# Altium PCB PCB_Kasli.PCBDOC (part 1 of 14) (continued)
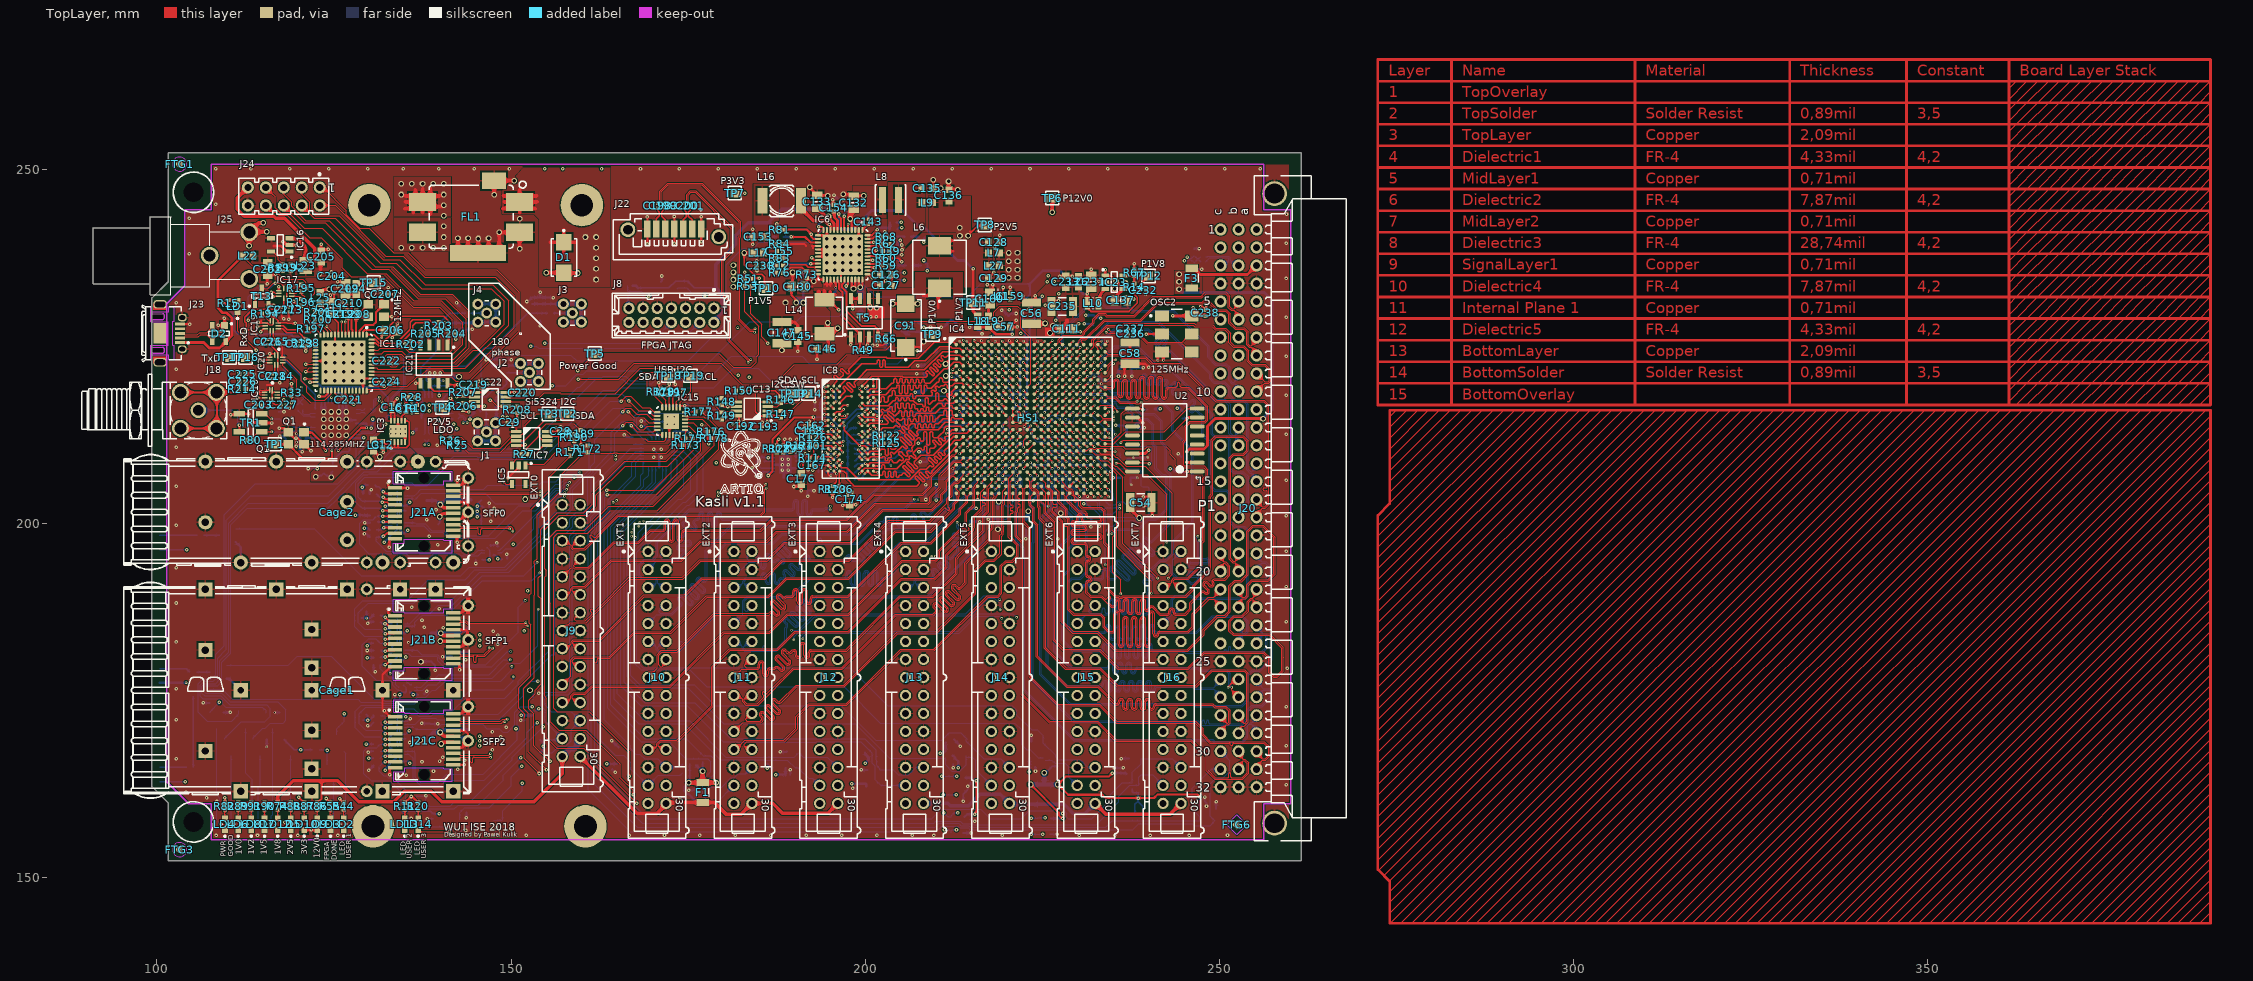
[diagram p0: TopLayer view]
## Design rules (kind name [scope] priority, off if disabled: settings) (continued)
MatchedLengths MatchedLengths_ADDR_PP1 [InxSignalClass('ADDR_PP1')] p18: tolerance=2 checknetsindiffpair=FALSE checkdiffpairvsdiffpair=TRUE checkxsignals=TRUE checkothers=TRUE
MatchedLengths [InDifferentialPairClass('All Differential Pairs')] p19: tolerance=5 checknetsindiffpair=TRUE checkdiffpairvsdiffpair=FALSE checkxsignals=FALSE checkothers=FALSE
MinimumAnnularRing MinimumAnnularRing_mid [OnLayer('MidLayer1') or OnLayer('MidLayer2') or OnLayer('MidLayer3') or OnLayer('MidLayer4')] p1: minimumring=0.15
MinimumAnnularRing MinimumAnnularRing_outer [OnLayer('TopLayer') or OnLayer('BottomLayer')] p2: minimumring=0.05
MinimumSolderMaskSliver [All] p1: minsoldermaskwidth=0.075
ParallelSegment [All] p1 off: limit=5 gap=0.254
PlaneClearance [All] p1: clearance=0.254
PlaneConnect [All] p1: pad.planeconnectstyle=Relief pad.reliefexpansion=0.2 pad.reliefentries=4 pad.reliefconductorwidth=0.254 pad.reliefairgap=0.254 via.planeconnectstyle=Direct via.reliefexpansion=0.2 via.reliefentries=4 via.reliefconductorwidth=0.254 via.reliefairgap=0.15
PolygonConnect PolygonConnect_pad [IsPad] p1: connectstyle=Relief reliefconductorwidth=0.254 reliefentries=4 polygonreliefangle="90 Angle" airgapwidth=0.254
PolygonConnect [All] p2: connectstyle=Direct reliefconductorwidth=0.254 reliefentries=4 polygonreliefangle="45 Angle" airgapwidth=0.254
RoomDefinition Connectors [InComponentClass('Connectors')] p1: confinementstyle=ConfineIn formatcopy=TRUE lockcomponents=FALSE outline 0,0 50.8,0 50.8,25.4 0,25.4
RoomDefinition PowerSupplies [InComponentClass('PowerSupplies')] p2 off: confinementstyle=ConfineIn formatcopy=TRUE lockcomponents=FALSE outline 177.119,248.429 179.094,248.429 179.094,248.729 188.067,248.729 188.067,248.917 211.179,248.917 211.179,249.395 240.55,249.395 240.55,249.427 264.616,249.427 264.616,237.77 240.809,237.77 240.809,233.253 239.573,233.253 239.573,230.365 235.917,230.365 235.917,229.965 226.303,229.965 226.303,229.851 221.539,229.851 221.539,228.791 217.691,228.791 217.691,226.821 209.531,226.821 209.531,226.095 177.119,226.095
RoomDefinition ClockRecovery [InComponentClass('ClockRecovery')] p3 off: confinementstyle=ConfineIn formatcopy=TRUE lockcomponents=FALSE outline 110.346,216.489 110.346,218.867 110.496,218.867 110.496,220.485 110.577,220.485 110.577,226.036 111.333,226.036 111.333,227.601 114.112,227.601 114.112,230.141 115.68,230.141 115.68,233.091 125.542,233.091 125.542,237.761 125.557,237.761 125.557,238.777 127.953,238.777 127.953,239.585 153.733,239.585 153.733,237.045 161.353,237.045 161.353,217.107 153.733,217.107 153.733,212.027 136.366,212.027 136.366,211.943 125.773,211.943 125.773,211.889 121.115,211.889 121.115,214.549 115.675,214.549 115.675,215.063 111.533,215.063 111.533,216.489
RoomDefinition USB_Serial_Quad [InComponentClass('USB_Serial_Quad')] p4 off: confinementstyle=ConfineIn formatcopy=TRUE lockcomponents=FALSE outline 96.489,225.657 96.489,236.115 134.774,236.115 134.774,248.364 155.802,248.364 155.802,241.856 145.507,241.856 145.507,219.221 143.175,219.221 143.175,210.803 141.147,210.803 141.147,210.519 134.637,210.519 134.637,210.393 133.079,210.393 133.079,212.077 114.941,212.077 114.941,213.763 114.249,213.763 114.249,214.867 110.317,214.867 110.317,225.657
RoomDefinition FPGA_JTAG [InComponentClass('FPGA_JTAG')] p5 off: confinementstyle=ConfineIn formatcopy=TRUE lockcomponents=FALSE outline 163.247,225.588 163.247,233.246 165.944,233.246 165.944,233.922 170.06,233.922 170.06,235.042 171.618,235.042 171.618,233.246 180.605,233.246 180.605,225.588
RoomDefinition SATA [InComponentClass('SATA')] p6 off: confinementstyle=ConfineIn formatcopy=TRUE lockcomponents=FALSE outline 165.247,230.042 165.247,247.65 173.18,247.65 173.18,243.309 173.645,243.309 173.645,235.077 173.18,235.077 173.18,230.042
RoomDefinition Artix [InComponentClass('Artix')] p7 off: confinementstyle=ConfineIn formatcopy=TRUE lockcomponents=FALSE outline 202.441,219.817 202.441,224.175 203.789,224.175 203.789,225.315 210.718,225.315 210.718,227.094 218.423,227.094 218.423,229.281 219.647,229.281 219.647,230.175 226.251,230.175 226.251,230.429 228.409,230.429 228.409,230.391 231.395,230.391 231.395,229.171 235.763,229.171 235.763,223.537 242.997,223.537 242.997,222.297 243.475,222.297 243.475,218.391 246.653,218.391 246.653,207.833 245.141,207.833 245.141,202.02 238.983,202.02 238.983,202.536 210.718,202.536 210.718,214.567 207.975,214.567 207.975,216.743 204.961,216.743 204.961,219.817
RoomDefinition TOP [InComponentClass('TOP')] p8 off: confinementstyle=ConfineIn formatcopy=TRUE lockcomponents=FALSE outline 112.014,243.586 88.392,243.586 88.392,210.134 112.014,210.134
RoomDefinition U_SFP_1 [InComponentClass('U_SFP_1')] p9 off: confinementstyle=ConfineIn formatcopy=TRUE lockcomponents=FALSE outline 95.025,175.56 95.025,191.716 144.333,191.716 144.333,191.533 152.065,191.533 152.065,190.927 153.941,190.927 153.941,186.263 151.397,186.263 151.397,185.553 148.27,185.553 148.27,182.355 146.559,182.355 146.559,180.835 144.333,180.835 144.333,175.56 139.365,175.56 139.365,175.497 137.411,175.497 137.411,174.351 133.128,174.351 133.128,175.56
RoomDefinition U_SFP_2 [InComponentClass('U_SFP_2')] p10 off: confinementstyle=ConfineIn formatcopy=TRUE lockcomponents=FALSE outline 95.04,161.315 95.04,177.471 144.348,177.471 144.348,177.309 151.557,177.309 151.557,176.195 153.433,176.195 153.433,171.531 150.889,171.531 150.889,171.075 148.524,171.075 148.524,168.131 146.559,168.131 146.559,166.611 144.348,166.611 144.348,161.315 142.667,161.315 142.667,158.987 140.289,158.987 140.289,159.111 135.414,159.111 135.414,161.315
RoomDefinition U_SFP_0 [InComponentClass('U_SFP_0')] p11 off: confinementstyle=ConfineIn formatcopy=TRUE lockcomponents=FALSE outline 95.03,193.6 95.03,209.756 144.338,209.756 144.338,209.313 150.795,209.313 150.795,208.327 152.577,208.327 152.577,208.199 153.941,208.199 153.941,203.789 150.889,203.789 150.889,203.333 147.762,203.333 147.762,200.389 146.813,200.389 146.813,198.869 144.338,198.869 144.338,193.6 142.667,193.6 142.667,191.499 138.935,191.499 138.935,190.099 134.652,190.099 134.652,193.6
RoomDefinition U_IDC_EXT_Connectors [InComponentClass('U_IDC_EXT_Connectors')] p12 off: confinementstyle=ConfineIn formatcopy=TRUE lockcomponents=FALSE outline 154.767,162.358 154.767,208.482 164.895,208.482 164.895,201.37 248.207,201.37 248.207,155.246 166.669,155.246 166.669,162.358
RoomDefinition U_FPGA_SDRAM [InComponentClass('U_FPGA_SDRAM')] p13 off: confinementstyle=ConfineIn formatcopy=TRUE lockcomponents=FALSE outline 203.454,227.319 183.423,227.319 183.423,207.518 203.454,207.518
RoomDefinition U_FPGA_I2C [InComponentClass('U_FPGA_I2C')] p14 off: confinementstyle=ConfineIn formatcopy=TRUE lockcomponents=FALSE outline 170.313,217.919 170.313,219.977 171.277,219.977 171.277,221.251 172.703,221.251 172.703,223.693 179.341,223.693 179.341,220.743 181.529,220.743 181.529,207.789 187.244,207.789 187.244,206.929 192.676,206.929 192.676,202.519 191.312,202.519 191.312,202.266 190.64,202.266 190.64,201.301 174.612,201.301 174.612,202.519 172.703,202.519 172.703,204.707 170.769,204.707 170.769,217.919
RoomDefinition U_BackplaneConnector [InComponentClass('U_BackplaneConnector')] p15 off: confinementstyle=ConfineIn formatcopy=TRUE lockcomponents=FALSE outline 246.221,226.171 246.221,231.029 246.246,231.029 246.246,249.488 268.264,249.488 268.264,154.88 246.246,154.88 246.246,226.171
RoutingLayers RoutingLayers_1 [InNetClass('Diff_100Ohm')] p1: top layer_v5=TRUE mid layer 1_v5=FALSE mid layer 2_v5=TRUE mid layer 7_v5=TRUE bottom layer_v5=TRUE
RoutingLayers [All] p2: top layer_v5=TRUE mid layer 1_v5=TRUE mid layer 2_v5=TRUE mid layer 7_v5=TRUE bottom layer_v5=TRUE
RoutingTopology RoutingTopology_DDRAddressAndControls [InNetClass('DDR_AddressAndControls')] p1: topology=Daisy_Simple
RoutingTopology [All] p2: topology=Shortest
RoutingVias [All] p1: holewidth=0.15 width=0.35 viastyle="Through Hole" minholewidth=0.15 minwidth=0.35 maxholewidth=0.6 maxwidth=0.8
SMDEntry [All] p1 off: side=TRUE corner=TRUE anyangle=FALSE
SilkToSilkClearance [All] p1: silktosilkclearance=0.15
SilkToSolderMaskClearance SilkscreenOverComponentPads [IsPad] p1: minsilkscreentomaskgap=0.15 clearancetoexposedcopper=FALSE
SolderMaskExpansion [All] p1: expansion=0.05
StubLength [All] p1: limit=3
UnConnectedPin [All] p1 off:
ViasUnderSMD ViasUnderSMD_1 [(InNet('GND') AND (InComponent('IC1') or InComponent('IC2') or InComponent('IC3') or InComponent('IC14') or InComponent('IC15') or InComponent('IC18')))] p1: allowed=TRUE
ViasUnderSMD [All] p2: allowed=FALSE
Width Width_50Ohm [InNetClass('50Ohm')] p1: maxlimit=1 minlimit=0.19 preferedwidth=0.24 toplayer_maxwidth=0.19 toplayer_prefwidth=0.19 midlayer1_minwidth=0.3 midlayer1_prefwidth=0.65 midlayer2_minwidth=0.24 midlayer2_maxwidth=0.24 midlayer7_minwidth=0.24 midlayer7_maxwidth=0.24 bottomlayer_maxwidth=0.19 bottomlayer_prefwidth=0.19 minimp=50.000000 maximp=50.000000 favimp=50.000000
Width [All] p2: maxlimit=2 minlimit=0.075 preferedwidth=0.125
14 further rules are at their usual default settings.

## Classes and differential pairs
net class LVPECL: CKOUT_D_2_N CKOUT_D_2_P CLK_EXT_N CLK_EXT_P
differential pair class LVPECL: CK_FPGAIO CK_GTP CKI_FPGAIO CKI_GTP CKIN0 CKIN2 CKOUT_1 CKOUT_D_2 CLK_EXT CLK_SMA_IN EEM_CLK_OUT7
differential pair class SFP_RX_TX: SFP_RX_TX_0.RD SFP_RX_TX_0.TD SFP_RX_TX_1.RD SFP_RX_TX_1.TD SFP_RX_TX_2.RD SFP_RX_TX_2.TD
differential pair class Diff_90Ohm: USB_D_R
net class 50Ohm: DDR3_A0 DDR3_A1 DDR3_A2 DDR3_A3 DDR3_A4 DDR3_A5 DDR3_A6 DDR3_A7 DDR3_A8 DDR3_A9 DDR3_A10 DDR3_A11 DDR3_A12 DDR3_A13 DDR3_A14 DDR3_BA0 DDR3_BA1 DDR3_BA2 DDR3_CAS_N DDR3_CK_N DDR3_CK_P DDR3_CKE DDR3_DQ0 DDR3_DQ1 DDR3_DQ2 DDR3_DQ3 DDR3_DQ4 DDR3_DQ5 DDR3_DQ6 DDR3_DQ7 DDR3_DQ8 DDR3_DQ9 DDR3_DQ10 DDR3_DQ11 DDR3_DQ12 DDR3_DQ13 DDR3_DQ14 DDR3_DQ15 DDR3_LDM DDR3_LDQS_N DDR3_LDQS_P DDR3_ODT DDR3_RAS_N DDR3_UDM DDR3_UDQS_N DDR3_UDQS_P DDR3_WE_N EEM_CLK_OUT0 EEM_CLK_OUT1 EEM_CLK_OUT2 EEM_CLK_OUT3 NetC20_2 NetC21_2 NetC22_2 NetC27_2 NetC228_1 NetC228_2
component class FPGA_JTAG: C52 C53 J8 R58
component class SATA: C198 C199 C200 C201 J22
component class Artix: C50 C51 C57 C60 C61 C62 C63 C64 C65 C95 C97 C98 C99 C100 C101 C112 C113 C114 C115 C116 C120 C122 C123 C124 C125 C161 C205 C229 C240 IC4 L4 L5 R11 R19 R20 R23 R42 R43 R44 R45 R46 R47 R48 R52 R53 R54 R55 R56 R94 R95 R96 R191 T2 T3 T4 T12
component class PowerSupplies: C126 C127 C128 C129 C130 C131 C132 C133 C134 C135 C136 C137 C138 C139 C140 C141 C142 C143 C145 C146 C147 C148 C149 C150 C151 C152 C153 C154 C155 C156 C157 C158 C159 C160 C230 C231 C232 C233 Cage1 Cage2 D1 FL1 IC6 IC23 J25 L6 L7 L8 L9 L10 L11 L12 L13 L14 L15 L16 L17 L18 L19 L26 L27 L28 LD4 LD5 LD6 LD7 LD8 LD9 LD10 LD12 R12 R14 R49 R51 R59 R60 R61 R62 R63 R64 R65 R66 R67 R68 R69 R70 R71 R72 R73 R74 R75 R76 R77 R78 R79 R81 R82 R83 R84 R85 R86 R87 R88 R89 R90 R91 R92 R93 T5 T6 T7 T8 T9 T10 T15 TP5 TP6 TP7 TP8 TP9 TP10 TP11 TP12 U1
channel class SFP: U_SFP_0 U_SFP_1 U_SFP_2
net class I2C_SDA_[11..0]: I2C_SDA_0 I2C_SDA_1 I2C_SDA_2 I2C_SDA_3 I2C_SDA_4 I2C_SDA_5 I2C_SDA_6 I2C_SDA_7 I2C_SDA_8 I2C_SDA_9 I2C_SDA_10 I2C_SDA_11
net class I2C_SCL_[11..0]: I2C_SCL_0 I2C_SCL_1 I2C_SCL_2 I2C_SCL_3 I2C_SCL_4 I2C_SCL_5 I2C_SCL_6 I2C_SCL_7 I2C_SCL_8 I2C_SCL_9 I2C_SCL_10 I2C_SCL_11
component class U_SFP_2: C178C C179C C180C C181C C182C C183C C184C C185C C186C C187C C188C C189C C190C C191C IC11C IC12C IC13C J21C L20C L21C LD11C R130C R134C R137C R138C R143C R144C R145C R212C R213C T3C T11C
component class U_SFP_1: C178B C179B C180B C181B C182B C183B C184B C185B C186B C187B C188B C189B C190B C191B IC11B IC12B IC13B J21B L20B L21B LD11B R130B R134B R137B R138B R143B R144B R145B R212B R213B T3B T11B
component class U_SFP_0: C178A C179A C180A C181A C182A C183A C184A C185A C186A C187A C188A C189A C190A C191A IC11A IC12A IC13A J21A L20A L21A LD11A R130A R134A R137A R138A R143A R144A R145A R212A R213A T3A T11A
component class U_IDC_EXT_Connectors: C30 C35 C36 C37 C39 C40 C41 C42 D3 D4 D5 D6 D7 D8 D9 D10 F1 F2 J9 J10 J11 J12 J13 J14 J15 J16
component class U_FPGAGTP: C198 C199 C200 C201 C236 C237 C238 J22 OSC2 R191
component class U_FPGA_SDRAM: C162 C163 C164 C165 C166 C167 C168 C169 C170 C171 C172 C173 C174 C175 C176 C177 IC8 IC9 R99 R100 R101 R102 R103 R104 R105 R106 R107 R108 R109 R110 R111 R112 R113 R114 R115 R116 R117 R118 R119 R120 R121 R122 R123 R124 R125 R126 R127 R128 R129
component class U_FPGA_I2C: C192 C193 C196 C197 IC5 IC13 IC14 IC15 R135 R136 R138 R139 R141 R142 R143 R146 R147 R148 R149 R150 R151 R152 R153 R154 R155 R156 R157 R158 R159 R160 R161 R162 R163 R164 R165 R166 R167 R168 R169 R170 R171 R172 R173 R175 R176 R177 R178 R179 R180 R181 R182 R183 R184 R185 R186 R187 R188 R189 R190 TP13 TP14
component class U_BackplaneConnector: C31 C32 C33 C34 D11 D12 D13 D14 F3 J20
component class TOP: C161 C225 C226 C229 FTG1 FTG2 FTG3 FTG4 FTG5 FTG6 J18 R94 R95 R96 R214 U2
component class ClockRecovery: C1 C2 C3 C4 C5 C6 C7 C8 C9 C10 C11 C12 C13 C14 C15 C16 C17 C18 C19 C20 C21 C22 C23 C24 C25 C26 C27 C28 C29 C38 C43 C44 C45 C46 C47 C48 C144 C194 C195 C228 IC1 IC2 IC3 IC7 J1 J2 J3 J4 L1 L2 L3 LD1 Q1 R1 R2 R3 R4 R6 R7 R8 R9 R10 R13 R15 R16 R17 R18 R21 R22 R24 R25 R26 R27 R28 R29 R30 R31 R32 R38 R39 R80 R210 R211 T1 TP1 TP2 TP3 TP4 TR1
component class FPGAPower&Misc: C50 C51 C52 C53 C54 C55 C56 C57 C58 C59 C60 C61 C62 C63 C64 C65 C66 C67 C68 C69 C70 C71 C72 C73 C74 C75 C76 C77 C78 C79 C80 C81 C82 C83 C84 C85 C86 C87 C88 C89 C90 C91 C92 C93 C94 C95 C96 C97 C98 C99 C100 C101 C102 C103 C104 C105 C106 C107 C108 C109 C110 C111 C112 C113 C114 C115 C116 C117 C118 C119 C120 C121 C122 C123 C124 C125 C235 C240 HS1 J8 L4 L5 LD3 R46 R47 R48 R52 R53 R54 R55 R56 R57 R58 T4
component class "Artix 7": IC4 LD2 LD13 LD14 R11 R19 R20 R23 R42 R43 R44 R45 T2 T3 T12
component class USB_Serial_Quad: C202 C203 C204 C205 C206 C207 C208 C209 C210 C211 C212 C213 C214 C215 C216 C217 C218 C219 C220 C221 C222 C223 C224 C227 D2 IC10 IC16 IC17 IC18 IC19 IC20 IC21 IC22 J23 J24 L22 L23 L24 L25 Q2 R33 R192 R193 R194 R195 R196 R197 R198 R199 R200 R201 R202 R203 R204 R205 R206 R207 R208 R209 T13 T14 TP15 TP16 TP17 TP18 TP19
component class Connectors: Cage1 Cage2 J18 J20 J23 J25
net class DDR_AddressAndControls: DDR3_A0 DDR3_A1 DDR3_A2 DDR3_A3 DDR3_A4 DDR3_A5 DDR3_A6 DDR3_A7 DDR3_A8 DDR3_A9 DDR3_A10 DDR3_A11 DDR3_A12 DDR3_A13 DDR3_A14 DDR3_BA0 DDR3_BA1 DDR3_BA2 DDR3_CAS_N DDR3_CK_N DDR3_CK_P DDR3_CKE DDR3_ODT DDR3_RAS_N DDR3_WE_N
net class DDR_BL0: DDR3_DQ0 DDR3_DQ1 DDR3_DQ2 DDR3_DQ3 DDR3_DQ4 DDR3_DQ5 DDR3_DQ6 DDR3_DQ7 DDR3_DQ8 DDR3_DQ9 DDR3_DQ10 DDR3_DQ11 DDR3_DQ12 DDR3_DQ13 DDR3_DQ14 DDR3_DQ15 DDR3_LDM DDR3_LDQS_N DDR3_LDQS_P DDR3_UDM DDR3_UDQS_N DDR3_UDQS_P
net class EXT0: EXT0.LVDS_0_N EXT0.LVDS_0_P EXT0.LVDS_1_N EXT0.LVDS_1_P EXT0.LVDS_2_N EXT0.LVDS_2_P EXT0.LVDS_3_N EXT0.LVDS_3_P EXT0.LVDS_4_N EXT0.LVDS_4_P EXT0.LVDS_5_N EXT0.LVDS_5_P EXT0.LVDS_6_N EXT0.LVDS_6_P EXT0.LVDS_7_N EXT0.LVDS_7_P
net class EXT1: EXT1.LVDS_0_N EXT1.LVDS_0_P EXT1.LVDS_1_N EXT1.LVDS_1_P EXT1.LVDS_2_N EXT1.LVDS_2_P EXT1.LVDS_3_N EXT1.LVDS_3_P EXT1.LVDS_4_N EXT1.LVDS_4_P EXT1.LVDS_5_N EXT1.LVDS_5_P EXT1.LVDS_6_N EXT1.LVDS_6_P EXT1.LVDS_7_N EXT1.LVDS_7_P
net class EXT2: EXT2.LVDS_0_N EXT2.LVDS_0_P EXT2.LVDS_1_N EXT2.LVDS_1_P EXT2.LVDS_2_N EXT2.LVDS_2_P EXT2.LVDS_3_N EXT2.LVDS_3_P EXT2.LVDS_4_N EXT2.LVDS_4_P EXT2.LVDS_5_N EXT2.LVDS_5_P EXT2.LVDS_6_N EXT2.LVDS_6_P EXT2.LVDS_7_N EXT2.LVDS_7_P
net class EXT3: EXT3.LVDS_0_N EXT3.LVDS_0_P EXT3.LVDS_1_N EXT3.LVDS_1_P EXT3.LVDS_2_N EXT3.LVDS_2_P EXT3.LVDS_3_N EXT3.LVDS_3_P EXT3.LVDS_4_N EXT3.LVDS_4_P EXT3.LVDS_5_N EXT3.LVDS_5_P EXT3.LVDS_6_N EXT3.LVDS_6_P EXT3.LVDS_7_N EXT3.LVDS_7_P
net class EXT4: EXT4.LVDS_0_N EXT4.LVDS_0_P EXT4.LVDS_1_N EXT4.LVDS_1_P EXT4.LVDS_2_N EXT4.LVDS_2_P EXT4.LVDS_3_N EXT4.LVDS_3_P EXT4.LVDS_4_N EXT4.LVDS_4_P EXT4.LVDS_5_N EXT4.LVDS_5_P EXT4.LVDS_6_N EXT4.LVDS_6_P EXT4.LVDS_7_N EXT4.LVDS_7_P
net class EXT5: EXT5.LVDS_0_N EXT5.LVDS_0_P EXT5.LVDS_1_N EXT5.LVDS_1_P EXT5.LVDS_2_N EXT5.LVDS_2_P EXT5.LVDS_3_N EXT5.LVDS_3_P EXT5.LVDS_4_N EXT5.LVDS_4_P EXT5.LVDS_5_N EXT5.LVDS_5_P EXT5.LVDS_6_N EXT5.LVDS_6_P EXT5.LVDS_7_N EXT5.LVDS_7_P
net class EXT6: EXT6.LVDS_0_N EXT6.LVDS_0_P EXT6.LVDS_1_N EXT6.LVDS_1_P EXT6.LVDS_2_N EXT6.LVDS_2_P EXT6.LVDS_3_N EXT6.LVDS_3_P EXT6.LVDS_4_N EXT6.LVDS_4_P EXT6.LVDS_5_N EXT6.LVDS_5_P EXT6.LVDS_6_N EXT6.LVDS_6_P EXT6.LVDS_7_N EXT6.LVDS_7_P
net class EXT7: EXT7.LVDS_0_N EXT7.LVDS_0_P EXT7.LVDS_1_N EXT7.LVDS_1_P EXT7.LVDS_2_N EXT7.LVDS_2_P EXT7.LVDS_3_N EXT7.LVDS_3_P EXT7.LVDS_4_N EXT7.LVDS_4_P EXT7.LVDS_5_N EXT7.LVDS_5_P EXT7.LVDS_6_N EXT7.LVDS_6_P EXT7.LVDS_7_N EXT7.LVDS_7_P
net class EXT8: EXT8.LVDS_0_N EXT8.LVDS_0_P EXT8.LVDS_1_N EXT8.LVDS_1_P EXT8.LVDS_2_N EXT8.LVDS_2_P EXT8.LVDS_3_N EXT8.LVDS_3_P EXT8.LVDS_4_N EXT8.LVDS_4_P EXT8.LVDS_5_N EXT8.LVDS_5_P EXT8.LVDS_6_N EXT8.LVDS_6_P EXT8.LVDS_7_N EXT8.LVDS_7_P
net class EXT9: EXT9.LVDS_0_N EXT9.LVDS_0_P EXT9.LVDS_1_N EXT9.LVDS_1_P EXT9.LVDS_2_N EXT9.LVDS_2_P EXT9.LVDS_3_N EXT9.LVDS_3_P EXT9.LVDS_4_N EXT9.LVDS_4_P EXT9.LVDS_5_N EXT9.LVDS_5_P EXT9.LVDS_6_N EXT9.LVDS_6_P EXT9.LVDS_7_N EXT9.LVDS_7_P
net class EXT10: EXT10.LVDS_0_N EXT10.LVDS_0_P EXT10.LVDS_1_N EXT10.LVDS_1_P EXT10.LVDS_2_N EXT10.LVDS_2_P EXT10.LVDS_3_N EXT10.LVDS_3_P EXT10.LVDS_4_N EXT10.LVDS_4_P EXT10.LVDS_5_N EXT10.LVDS_5_P EXT10.LVDS_6_N EXT10.LVDS_6_P EXT10.LVDS_7_N EXT10.LVDS_7_P
net class EXT11: EXT11.LVDS_0_N EXT11.LVDS_0_P EXT11.LVDS_1_N EXT11.LVDS_1_P EXT11.LVDS_2_N EXT11.LVDS_2_P EXT11.LVDS_3_N EXT11.LVDS_3_P EXT11.LVDS_4_N EXT11.LVDS_4_P EXT11.LVDS_5_N EXT11.LVDS_5_P EXT11.LVDS_6_N EXT11.LVDS_6_P EXT11.LVDS_7_N EXT11.LVDS_7_P
net class SFP_0: SFP_0.LED SFP_0.LOS SFP_0.MOD_PRESENT SFP_0.RATE_SELECT SFP_0.RATE_SELECT1 SFP_0.TX_DISABLE SFP_0.TX_FAULT
net class SFP_1: SFP_1.LED SFP_1.LOS SFP_1.MOD_PRESENT SFP_1.RATE_SELECT SFP_1.RATE_SELECT1 SFP_1.TX_DISABLE SFP_1.TX_FAULT
net class SFP_2: SFP_2.LED SFP_2.LOS SFP_2.MOD_PRESENT SFP_2.RATE_SELECT SFP_2.RATE_SELECT1 SFP_2.TX_DISABLE SFP_2.TX_FAULT
net class SFP_RX_TX_0: SFP_RX_TX_0.RD_N SFP_RX_TX_0.RD_P SFP_RX_TX_0.TD_N SFP_RX_TX_0.TD_P
net class SFP_RX_TX_1: SFP_RX_TX_1.RD_N SFP_RX_TX_1.RD_P SFP_RX_TX_1.TD_N SFP_RX_TX_1.TD_P
net class SFP_RX_TX_2: SFP_RX_TX_2.RD_N SFP_RX_TX_2.RD_P SFP_RX_TX_2.TD_N SFP_RX_TX_2.TD_P
net class Diff_100Ohm: CK_FPGAIO_N CK_FPGAIO_P CK_GTP_125_N CK_GTP_125_P CK_GTP_N CK_GTP_P CKC_GTP_125_N CKC_GTP_125_P CKI_FPGAIO_N CKI_FPGAIO_P CKI_GTP_N CKI_GTP_P CKIN0_N CKIN0_P CKIN1_N CKIN1_P CKOUT_1_N CKOUT_1_P CKOUT_D_1_N CKOUT_D_1_P CLK_SMA_IN_N CLK_SMA_IN_P CLKREC_N CLKREC_P EXT0.LVDS_0_P MGT_RX3_N MGT_RX3_P MGT_TX3_N MGT_TX3_P SATA_RX_N SATA_RX_P SATA_TX_N SATA_TX_P SFP_RX_TX_0.RD_N SFP_RX_TX_0.RD_P SFP_RX_TX_0.TD_N SFP_RX_TX_0.TD_P SFP_RX_TX_1.RD_N SFP_RX_TX_1.RD_P SFP_RX_TX_1.TD_N SFP_RX_TX_1.TD_P SFP_RX_TX_2.RD_N SFP_RX_TX_2.RD_P SFP_RX_TX_2.TD_N SFP_RX_TX_2.TD_P
differential pair class Diff_100Ohm: CK_FPGAIO CK_GTP CK_GTP_125 CKC_GTP_125 CKI_FPGAIO CKI_GTP CKIN0 CKIN2 CKOUT_1 CKOUT_D_1 CKOUT_D_2 CLK_EEM_EXT CLK_EEM_EXT_C CLK_EEM_INT CLK_EXT CLK_SMA_IN CLKREC DDR3_CK DDR3_LDQS DDR3_UDQS EEM_CLK_OUT7 EXT0.LVDS_0 EXT0.LVDS_1 EXT0.LVDS_2 EXT0.LVDS_3 EXT0.LVDS_4 EXT0.LVDS_5 EXT0.LVDS_6 EXT0.LVDS_7 EXT1.LVDS_0 EXT1.LVDS_7 EXT2.LVDS_0 EXT2.LVDS_2 EXT2.LVDS_3 EXT2.LVDS_4 EXT2.LVDS_5 EXT2.LVDS_6 EXT2.LVDS_7 EXT3.LVDS_0 EXT3.LVDS_2 EXT3.LVDS_3 EXT3.LVDS_4 EXT3.LVDS_5 EXT3.LVDS_6 EXT3.LVDS_7 EXT4.LVDS_0 EXT4.LVDS_2 EXT4.LVDS_3 EXT4.LVDS_4 EXT4.LVDS_5 EXT4.LVDS_6 EXT4.LVDS_7 EXT5.LVDS_0 EXT5.LVDS_2 EXT5.LVDS_3 EXT5.LVDS_4 EXT5.LVDS_5 EXT5.LVDS_6 EXT5.LVDS_7 EXT6.LVDS_0 EXT6.LVDS_2 EXT6.LVDS_3 EXT6.LVDS_4 EXT6.LVDS_5 EXT6.LVDS_6 EXT6.LVDS_7 EXT7.LVDS_0 EXT7.LVDS_2 EXT7.LVDS_3 EXT7.LVDS_4 EXT7.LVDS_5 EXT7.LVDS_6 EXT7.LVDS_7 EXT8.LVDS_0 EXT8.LVDS_2 EXT8.LVDS_3 EXT8.LVDS_4 EXT8.LVDS_5 EXT8.LVDS_6 EXT8.LVDS_7 EXT9.LVDS_0 EXT9.LVDS_2 EXT9.LVDS_3 EXT9.LVDS_4 EXT9.LVDS_5 EXT9.LVDS_6 EXT9.LVDS_7 EXT10.LVDS_0 EXT10.LVDS_2 EXT10.LVDS_3 EXT10.LVDS_4 EXT10.LVDS_5 EXT10.LVDS_6 EXT10.LVDS_7 EXT11.LVDS_0 EXT11.LVDS_1 EXT11.LVDS_2 EXT11.LVDS_3 EXT11.LVDS_4 EXT11.LVDS_5 EXT11.LVDS_6 EXT11.LVDS_7 MGT_RX3 MGT_TX3 SFP_RX_TX_0.RD SFP_RX_TX_0.TD SFP_RX_TX_1.RD SFP_RX_TX_1.TD SFP_RX_TX_2.RD SFP_RX_TX_2.TD
differential pair CKOUT_D_2: +CKOUT_D_2_P -CKOUT_D_2_N
differential pair SATA_TX: +SATA_TX_P -SATA_TX_N
differential pair SATA_RX: +SATA_RX_P -SATA_RX_N
differential pair CKC_GTP_125: +CKC_GTP_125_P -CKC_GTP_125_N
differential pair CK_GTP_125: +CK_GTP_125_P -CK_GTP_125_N
differential pair CKI_GTP: +CKI_GTP_P -CKI_GTP_N
differential pair CKI_FPGAIO: +CKI_FPGAIO_P -CKI_FPGAIO_N
differential pair MGT_TX3: +MGT_TX3_P -MGT_TX3_N
differential pair MGT_RX3: +MGT_RX3_P -MGT_RX3_N
differential pair CKIN0: +CKIN0_P -CKIN0_N
differential pair CLK_EXT: +CLK_EXT_P -CLK_EXT_N
differential pair EXT10.LVDS_3: +EXT9.LVDS_2_P -EXT9.LVDS_2_N
differential pair SFP_RX_TX_1.TD: +SFP_RX_TX_1.TD_P -SFP_RX_TX_1.TD_N
differential pair SFP_RX_TX_1.RD: +SFP_RX_TX_1.RD_P -SFP_RX_TX_1.RD_N
differential pair EXT11.LVDS_7: +EXT10.LVDS_6_P -EXT10.LVDS_6_N
differential pair EXT11.LVDS_6: +EXT10.LVDS_5_P -EXT10.LVDS_5_N
differential pair EXT11.LVDS_5: +EXT10.LVDS_4_P -EXT10.LVDS_4_N
differential pair EXT11.LVDS_4: +EXT10.LVDS_3_P -EXT10.LVDS_3_N
differential pair EXT11.LVDS_3: +EXT10.LVDS_2_P -EXT10.LVDS_2_N
differential pair EXT11.LVDS_2: +EXT10.LVDS_1_P -EXT10.LVDS_1_N
differential pair EXT10.LVDS_7: +EXT9.LVDS_6_P -EXT9.LVDS_6_N
differential pair EXT10.LVDS_6: +EXT9.LVDS_5_P -EXT9.LVDS_5_N
differential pair EXT10.LVDS_5: +EXT9.LVDS_4_P -EXT9.LVDS_4_N
differential pair EXT10.LVDS_4: +EXT9.LVDS_3_P -EXT9.LVDS_3_N
differential pair EXT10.LVDS_2: +EXT9.LVDS_1_P -EXT9.LVDS_1_N
differential pair EXT9.LVDS_7: +EXT8.LVDS_6_P -EXT8.LVDS_6_N
differential pair EXT9.LVDS_6: +EXT8.LVDS_5_P -EXT8.LVDS_5_N
differential pair EXT9.LVDS_5: +EXT8.LVDS_4_P -EXT8.LVDS_4_N
differential pair EXT9.LVDS_4: +EXT8.LVDS_3_P -EXT8.LVDS_3_N
differential pair EXT9.LVDS_3: +EXT8.LVDS_2_P -EXT8.LVDS_2_N
differential pair EXT9.LVDS_2: +EXT8.LVDS_1_P -EXT8.LVDS_1_N
differential pair EXT8.LVDS_7: +EXT7.LVDS_6_P -EXT7.LVDS_6_N
differential pair EXT8.LVDS_6: +EXT7.LVDS_5_P -EXT7.LVDS_5_N
differential pair EXT8.LVDS_5: +EXT7.LVDS_4_P -EXT7.LVDS_4_N
differential pair EXT8.LVDS_4: +EXT7.LVDS_3_P -EXT7.LVDS_3_N
differential pair EXT8.LVDS_3: +EXT7.LVDS_2_P -EXT7.LVDS_2_N
differential pair EXT8.LVDS_2: +EXT7.LVDS_1_P -EXT7.LVDS_1_N
differential pair EXT7.LVDS_7: +EXT6.LVDS_6_P -EXT6.LVDS_6_N
differential pair EXT7.LVDS_6: +EXT6.LVDS_5_P -EXT6.LVDS_5_N
differential pair EXT7.LVDS_5: +EXT6.LVDS_4_P -EXT6.LVDS_4_N
differential pair EXT7.LVDS_4: +EXT6.LVDS_3_P -EXT6.LVDS_3_N
differential pair EXT7.LVDS_3: +EXT6.LVDS_2_P -EXT6.LVDS_2_N
differential pair EXT7.LVDS_2: +EXT6.LVDS_1_P -EXT6.LVDS_1_N
differential pair EXT6.LVDS_7: +EXT5.LVDS_6_P -EXT5.LVDS_6_N
differential pair EXT6.LVDS_6: +EXT5.LVDS_5_P -EXT5.LVDS_5_N
differential pair EXT6.LVDS_5: +EXT5.LVDS_4_P -EXT5.LVDS_4_N
differential pair EXT6.LVDS_4: +EXT5.LVDS_3_P -EXT5.LVDS_3_N
differential pair EXT6.LVDS_3: +EXT5.LVDS_2_P -EXT5.LVDS_2_N
differential pair EXT6.LVDS_2: +EXT5.LVDS_1_P -EXT5.LVDS_1_N
differential pair EXT5.LVDS_7: +EXT4.LVDS_6_P -EXT4.LVDS_6_N
differential pair EXT5.LVDS_6: +EXT4.LVDS_5_P -EXT4.LVDS_5_N
differential pair EXT5.LVDS_5: +EXT4.LVDS_4_P -EXT4.LVDS_4_N
differential pair EXT5.LVDS_4: +EXT4.LVDS_3_P -EXT4.LVDS_3_N
differential pair EXT5.LVDS_3: +EXT4.LVDS_2_P -EXT4.LVDS_2_N
differential pair EXT5.LVDS_2: +EXT4.LVDS_1_P -EXT4.LVDS_1_N
differential pair EXT4.LVDS_7: +EXT3.LVDS_6_P -EXT3.LVDS_6_N
differential pair EXT4.LVDS_6: +EXT3.LVDS_5_P -EXT3.LVDS_5_N
differential pair EXT4.LVDS_5: +EXT3.LVDS_4_P -EXT3.LVDS_4_N
differential pair EXT4.LVDS_4: +EXT3.LVDS_3_P -EXT3.LVDS_3_N
differential pair EXT4.LVDS_3: +EXT3.LVDS_2_P -EXT3.LVDS_2_N
differential pair EXT4.LVDS_2: +EXT3.LVDS_1_P -EXT3.LVDS_1_N
differential pair EXT3.LVDS_7: +EXT2.LVDS_6_P -EXT2.LVDS_6_N
differential pair EXT3.LVDS_6: +EXT2.LVDS_5_P -EXT2.LVDS_5_N
differential pair EXT3.LVDS_5: +EXT2.LVDS_4_P -EXT2.LVDS_4_N
differential pair EXT3.LVDS_4: +EXT2.LVDS_3_P -EXT2.LVDS_3_N
differential pair EXT3.LVDS_3: +EXT2.LVDS_2_P -EXT2.LVDS_2_N
differential pair EXT3.LVDS_2: +EXT2.LVDS_1_P -EXT2.LVDS_1_N
differential pair EXT2.LVDS_7: +EXT1.LVDS_6_P -EXT1.LVDS_6_N
differential pair EXT2.LVDS_6: +EXT1.LVDS_5_P -EXT1.LVDS_5_N
differential pair EXT2.LVDS_5: +EXT1.LVDS_4_P -EXT1.LVDS_4_N
differential pair EXT2.LVDS_4: +EXT1.LVDS_3_P -EXT1.LVDS_3_N
differential pair EXT2.LVDS_3: +EXT1.LVDS_2_P -EXT1.LVDS_2_N
differential pair EXT2.LVDS_2: +EXT1.LVDS_1_P -EXT1.LVDS_1_N
differential pair DDR3_UDQS: +DDR3_UDQS_P -DDR3_UDQS_N
differential pair DDR3_LDQS: +DDR3_LDQS_P -DDR3_LDQS_N
differential pair DDR3_CK: +DDR3_CK_P -DDR3_CK_N
differential pair CLKREC: +CLKREC_P -CLKREC_N
differential pair CK_FPGAIO: +CK_FPGAIO_P -CK_FPGAIO_N
differential pair USB_D_R: +USB_D_R_P -USB_D_R_N
differential pair EXT0.LVDS_0: +EXT0.LVDS_0_P -EXT0.LVDS_0_N
differential pair EXT0.LVDS_1: +EXT0.LVDS_1_P -EXT0.LVDS_1_N
differential pair EXT0.LVDS_2: +EXT0.LVDS_2_P -EXT0.LVDS_2_N
differential pair EXT0.LVDS_3: +EXT0.LVDS_3_P -EXT0.LVDS_3_N
differential pair EXT0.LVDS_4: +EXT0.LVDS_4_P -EXT0.LVDS_4_N
differential pair EXT0.LVDS_5: +EXT0.LVDS_5_P -EXT0.LVDS_5_N
differential pair EXT0.LVDS_6: +EXT0.LVDS_6_P -EXT0.LVDS_6_N
differential pair EXT0.LVDS_7: +EXT0.LVDS_7_P -EXT0.LVDS_7_N
differential pair EXT1.LVDS_0: +EXT1.LVDS_0_P -EXT1.LVDS_0_N
differential pair EXT2.LVDS_0: +EXT2.LVDS_0_P -EXT2.LVDS_0_N
differential pair EXT3.LVDS_0: +EXT3.LVDS_0_P -EXT3.LVDS_0_N
differential pair EXT4.LVDS_0: +EXT4.LVDS_0_P -EXT4.LVDS_0_N
differential pair EXT5.LVDS_0: +EXT5.LVDS_0_P -EXT5.LVDS_0_N
differential pair EXT6.LVDS_0: +EXT6.LVDS_0_P -EXT6.LVDS_0_N
differential pair EXT7.LVDS_0: +EXT7.LVDS_0_P -EXT7.LVDS_0_N
differential pair EXT8.LVDS_0: +EXT8.LVDS_0_P -EXT8.LVDS_0_N
differential pair EXT9.LVDS_0: +EXT9.LVDS_0_P -EXT9.LVDS_0_N
differential pair EXT10.LVDS_0: +EXT10.LVDS_0_P -EXT10.LVDS_0_N
differential pair EXT11.LVDS_0: +EXT11.LVDS_0_P -EXT11.LVDS_0_N
differential pair SFP_RX_TX_0.RD: +SFP_RX_TX_0.RD_P -SFP_RX_TX_0.RD_N
differential pair SFP_RX_TX_0.TD: +SFP_RX_TX_0.TD_P -SFP_RX_TX_0.TD_N
differential pair CK_GTP: +CK_GTP_P -CK_GTP_N
differential pair CKIN2: +CKIN1_P -CKIN1_N
differential pair CKOUT_D_1: +CKOUT_D_1_P -CKOUT_D_1_N
differential pair EXT1.LVDS_7: +EXT1.LVDS_7_P -EXT1.LVDS_7_N
differential pair EXT2.LVDS_7: +EXT2.LVDS_7_P -EXT2.LVDS_7_N
differential pair EXT3.LVDS_7: +EXT3.LVDS_7_P -EXT3.LVDS_7_N
differential pair EXT4.LVDS_7: +EXT4.LVDS_7_P -EXT4.LVDS_7_N
differential pair EXT5.LVDS_7: +EXT5.LVDS_7_P -EXT5.LVDS_7_N
differential pair EXT6.LVDS_7: +EXT6.LVDS_7_P -EXT6.LVDS_7_N
differential pair EXT7.LVDS_7: +EXT7.LVDS_7_P -EXT7.LVDS_7_N
differential pair EXT8.LVDS_7: +EXT8.LVDS_7_P -EXT8.LVDS_7_N
differential pair EXT9.LVDS_7: +EXT9.LVDS_7_P -EXT9.LVDS_7_N
differential pair EXT10.LVDS_7: +EXT10.LVDS_7_P -EXT10.LVDS_7_N
differential pair EXT11.LVDS_1: +EXT11.LVDS_1_P -EXT11.LVDS_1_N
differential pair EXT11.LVDS_2: +EXT11.LVDS_2_P -EXT11.LVDS_2_N
differential pair EXT11.LVDS_3: +EXT11.LVDS_3_P -EXT11.LVDS_3_N
differential pair EXT11.LVDS_4: +EXT11.LVDS_4_P -EXT11.LVDS_4_N
differential pair EXT11.LVDS_5: +EXT11.LVDS_5_P -EXT11.LVDS_5_N
differential pair EXT11.LVDS_6: +EXT11.LVDS_6_P -EXT11.LVDS_6_N
differential pair EXT11.LVDS_7: +EXT11.LVDS_7_P -EXT11.LVDS_7_N
differential pair SFP_RX_TX_2.RD: +SFP_RX_TX_2.RD_P -SFP_RX_TX_2.RD_N
differential pair SFP_RX_TX_2.TD: +SFP_RX_TX_2.TD_P -SFP_RX_TX_2.TD_N
differential pair CKOUT_1: +CKOUT_1_P -CKOUT_1_N
differential pair CLK_SMA_IN: +CLK_SMA_IN_P -CLK_SMA_IN_N

## Components (designator, comment, footprint, x,y, rotation, side; value= is the part's Value field where it differs from the comment)
C1 "100nF" CAPC0603X33N 119.811,216.45 r270 bottom
C2 "100nF" CAPC0603X33N 120.573,216.45 r270 bottom
C3 "100nF" CAPC0603X33N 134.725,216.4 r0 bottom
C4 "100nF" CAPC0603X33N 137.719,212.314 r270 bottom
C5 "100nF" CAPC0603X33N 120.65,213.133 r0 bottom
C6 "100nF" CAPC0603X33N 138.481,212.314 r270 bottom
C7 "100nF" CAPC0603X33N 129.775,216.3 r0 bottom
C8 "100nF" CAPC0603X33N 142.164,214.854 r0 bottom
C9 "0.5pF" CAPC1005X50N 118.193,212.494 r90 bottom
C10 "100nF" CAPC0603X33N 129.775,215.525 r0 bottom
C11 "100nF" CAPC0603X33N 142.164,215.616 r0 bottom
C12 "4.7uF" CAPC1005X55N 131.875,211.2 r90 top
C13 "0.5pF" CAPC1005X50N 118.193,214.419 r90 bottom
C14 "100nF" CAPC0603X33N 120.65,213.895 r0 bottom
C15 "1uF" CAPC1005X55N 138.862,219.934 r270 bottom
C16 "10uF" CAPC1005X70N 133.2,216.475 r270 top
C17 "100nF" CAPC0603X33N 141.2,213.075 r180 bottom
C18 "100nF" CAPC0603X33N 139.846,219.884 r270 bottom
C19 "470nF" CAPC1005X55N 135.175,216.275 r270 top
C20 "100nF" CAPC0603X33N 146.175,215.8 r0 bottom
C21 "100nF" CAPC0603X33N 149.375,220.9 r90 bottom
C22 "100nF" CAPC0603X33N 155.55,229.75 r0 bottom
C23 "1nF" CAPC1005X55N 120.75,211.1 r0 bottom
C24 "1uF" CAPC1005X55N 130.048,214.149 r180 bottom
C25 "100nF" CAPC0603X33N 120.65,212.117 r0 bottom
C26 "100nF" CAPC0603X33N 122.07,208.167 r90 bottom
C27 "100nF" CAPC0603X33N 143.981,229.744 r0 bottom
C28 "100nF" CAPC0603X33N 157.05,213.1 r180 top
C29 "100nF" CAPC0603X33N 149.825,214.325 r0 top
C30 "100nF" CAPC0603X33N 235.8,165.2 r270 bottom
C31 "100nF" CAPC0603X33N 247.6,160.8 r180 bottom
C32 "100nF" CAPC0603X33N 215,163.8 r90 bottom
C33 "100nF" CAPC0603X33N 227.2,158.75 r270 bottom
C34 "100nF" CAPC0603X33N 214.9,158.6 r90 bottom
C35 "100nF" CAPC0603X33N 164.2,165.8 r90 bottom
C36 "100nF" CAPC0603X33N 174.5,161.7 r90 bottom
C37 "100nF" CAPC0603X33N 189.1,164.5 r180 bottom
C38 "100nF" CAPC0603X33N 247.725,237 r0 bottom
C39 "100nF" CAPC0603X33N 198.9,163 r90 bottom
C40 "100nF" CAPC0603X33N 212.8,166.1 r0 bottom
C41 "100nF" CAPC0603X33N 223.7,165.8 r180 bottom
C42 "100nF" CAPC0603X33N 152,172.6 r90 bottom
C43 "10nF" CAPC1005X55N 148.4,217.901 r180 bottom
C44 "10nF" CAPC1005X55N 148.4,215.9 r180 bottom
C45 "100nF" CAPC0603X33N 247.725,237.725 r0 bottom
C46 "10nF" CAPC1005X55N 147.299,222.8 r270 bottom
C47 "10nF" CAPC1005X55N 149.3,222.8 r270 bottom
C48 "10nF" CAPC1005X55N 152.999,231.5 r270 bottom
C50 "22uF" CAPC1709X100N 223.125,228.375 r180 bottom
C51 "100nF" CAPC0603X33N 221.4,216.325 r180 bottom
C52 "100nF" CAPC0603X33N 166.85,233.625 r0 bottom
C53 "100nF" CAPC0603X33N 166.525,232.475 r270 bottom
C54 "47uF" CAPC3225X270N 238.925,203 r180 top
C55 "470nF" CAPC0603X33N 225.375,216.3 r180 bottom
C56 "100uF" CAPC3225X270N 223.5,229.75 r270 top
C57 "22uF" CAPC1709X100N 219.675,227.8 r180 top
C58 "100uF" CAPC3225X270N 237.4,224.1 r90 top
C59 "4.7uF" CAPC2012X135N 222.75,199.75 r90 bottom
C60 "22uF" CAPC1709X100N 209.25,222.5 r0 bottom
C61 "470nF" CAPC0603X33N 225.9,223.8 r90 bottom
C62 "470nF" CAPC0603X33N 220.525,206.475 r270 bottom
C63 "470nF" CAPC0603X33N 225.125,205.875 r90 bottom
C64 "470nF" CAPC0603X33N 212.8,220.775 r90 bottom
C65 "470nF" CAPC0603X33N 223.425,209.85 r0 bottom
C66 "4.7uF" CAPC2012X135N 231.95,201.425 r90 bottom
C67 "4.7uF" CAPC2012X135N 237.35,213.875 r180 bottom
C68 "470nF" CAPC0603X33N 229.325,223.35 r0 bottom
C69 "470nF" CAPC0603X33N 225.475,218.275 r0 bottom
C70 "470nF" CAPC0603X33N 228.85,215.05 r90 bottom
C71 "4.7uF" CAPC2012X135N 232.25,228.75 r270 bottom
C72 "4.7uF" CAPC2012X135N 214.75,201.5 r90 bottom
C73 "470nF" CAPC0603X33N 224.875,221.775 r270 bottom
C74 "470nF" CAPC0603X33N 217.425,205.325 r0 bottom
C75 "470nF" CAPC0603X33N 230.375,209.325 r0 bottom
C76 "4.7uF" CAPC2012X135N 236.728,206.502 r180 bottom
C77 "4.7uF" CAPC2012X135N 236.875,222.05 r180 bottom
C78 "470nF" CAPC0603X33N 229.375,212.35 r0 bottom
C79 "470nF" CAPC0603X33N 226.925,214.625 r270 bottom
C80 "470nF" CAPC0603X33N 230.378,206.324 r180 bottom
C81 "4.7uF" CAPC2012X135N 209.296,224.282 r0 bottom
C82 "4.7uF" CAPC2012X135N 209.296,218.948 r0 bottom
C83 "470nF" CAPC0603X33N 218.375,219.275 r180 bottom
C84 "470nF" CAPC0603X33N 212.25,213.025 r270 bottom
C85 "470nF" CAPC0603X33N 213.45,218.275 r0 bottom
C86 "4.7uF" CAPC2012X135N 209.296,204.47 r0 bottom
C87 "4.7uF" CAPC2012X135N 225,203.6 r270 bottom
C88 "470nF" CAPC0603X33N 215.375,211.325 r0 bottom
C89 "470nF" CAPC0603X33N 232.36,220.29 r180 bottom
C90 "470nF" CAPC0603X33N 216.375,208.325 r0 bottom
C91 "330uF" CAPMP7343X190N 205.75,228 r90 top
C92 "4.7uF" CAPC2012X135N 209.296,210.312 r0 bottom
C93 "4.7uF" CAPC2012X135N 209.5,217 r0 bottom
C94 "4.7uF" CAPC2012X135N 209.5,208.5 r0 bottom
C95 "470nF" CAPC0603X33N 219.425,218.3 r0 bottom
C96 "4.7uF" CAPC2012X135N 218.75,201.25 r90 bottom
C97 "470nF" CAPC0603X33N 219.4,223.3 r0 bottom
C98 "470nF" CAPC0603X33N 222.504,211.328 r0 bottom
C99 "470nF" CAPC0603X33N 222.675,213.3 r0 bottom
C100 "470nF" CAPC0603X33N 220.4,220.325 r0 bottom
C101 "22uF" CAPC1709X100N 220.3,228.575 r270 bottom
C102 "470nF" CAPC0603X33N 219.425,216.325 r0 bottom
C103 "470nF" CAPC0603X33N 220.45,212.293 r0 bottom
C104 "470nF" CAPC0603X33N 220.401,219.304 r0 bottom
C105 "470nF" CAPC0603X33N 219.35,214.318 r0 bottom
C106 "470nF" CAPC0603X33N 219.4,213.3 r0 bottom
C107 "470nF" CAPC0603X33N 221.375,210.3 r0 bottom
C108 "470nF" CAPC0603X33N 219.5,210.3 r0 bottom
C109 "4.7uF" CAPC2012X135N 212.166,227.686 r270 bottom
C110 "4.7uF" CAPC2012X135N 209.296,212.09 r0 bottom
C111 "4.7uF" CAPC2012X135N 228.475,227.55 r180 top
C112 "100nF" CAPC0603X33N 220.375,225.325 r0 bottom
C113 "100nF" CAPC0603X33N 215.375,225.4 r0 bottom
C114 "100nF" CAPC0603X33N 221.375,224.3 r0 bottom
C115 "100nF" CAPC0603X33N 215.325,224.3 r0 bottom
C116 "100nF" CAPC0603X33N 218.44,224.282 r0 bottom
C117 "470nF" CAPC0603X33N 224.85,219.75 r270 bottom
C118 "470nF" CAPC0603X33N 225.375,212.325 r180 bottom
C119 "470nF" CAPC0603X33N 225.35,213.375 r180 bottom
C120 "100nF" CAPC0603X33N 222.4,215.25 r0 bottom
C121 "470nF" CAPC0603X33N 222.875,217.475 r90 bottom
C122 "100nF" CAPC0603X33N 222.9,216.1 r270 bottom
C123 "100nF" CAPC0603X33N 218.4,220.3 r0 bottom
C124 "100nF" CAPC0603X33N 220.4,222.3 r0 bottom
C125 "100nF" CAPC0603X33N 217.4,222.3 r0 bottom
C126 "56pF" CAPC1608X87N 202.946,235.204 r0 top
C127 "22uF" CAPC1709X100N 202.946,233.68 r0 top
C128 "22uF" CAPC1709X100N 218.186,239.776 r180 top
C129 "22uF" CAPC1709X100N 218.186,234.696 r0 top
C130 "10uF" CAPC2012X95N 190.5,233.5 r0 top
C131 "10uF" CAPC2012X95N 199.39,231.14 r90 bottom
C132 "10uF" CAPC2012X95N 198.374,245.364 r270 top
C133 "10uF" CAPC2012X95N 193.25,245.5 r270 top
C134 "100nF" CAPC0603X33N 197.15,232.175 r90 bottom
C135 "22uF" CAPC1709X100N 208.788,247.396 r180 top
C136 "22uF" CAPC1709X100N 211.836,246.38 r270 top
C137 "10uF" CAPC2012X95N 236.116,231.575 r180 top
C138 "1nF" CAPC1005X55N 208.338,236.474 r180 bottom
C139 "68pF" CAPC1005X55N 202.946,238.506 r0 top
C140 "100nF" CAPC0603X33N 195.58,232.156 r90 bottom
C141 "22uF" CAPC1709X100N 207.175,227.9 r270 bottom
C142 "1nF" CAPC1005X55N 208.026,240.538 r180 bottom
C143 "100nF" CAPC0603X33N 200.45,242.65 r270 top
C144 "10nF" CAPC1005X55N 155.2,231.5 r270 bottom
C145 "22uF" CAPC1709X100N 190.5,226.525 r90 top
C146 "22uF" CAPC1709X100N 194,224.75 r0 top
C147 "47uF" CAPC3225X270N 188.25,227 r90 top
C148 "22uF" CAPC1709X100N 216.425,227.75 r0 bottom
C149 "22uF" CAPC1709X100N 226.9,229.575 r180 bottom
C150 "150pF" CAPC1005X55N 187.96,236.474 r180 bottom
C151 "100nF" CAPC0603X33N 193.975,242.625 r180 bottom
C152 "1.2nF" CAPC1608X87N 184.912,240.538 r0 bottom
C153 "22uF" CAPC1709X100N 184.925,240.55 r0 top
C154 "1uF" CAPC1005X55N 195.58,244.602 r270 top
C155 "68pF" CAPC1005X55N 187.96,238.506 r180 top
C156 "1uF" CAPC1005X55N 203.962,239.522 r180 bottom
C157 "1uF" CAPC1005X55N 203.962,238.506 r180 bottom
C158 "1uF" CAPC1005X55N 196.1,245.45 r270 bottom
C159 "1uF" CAPC1005X55N 220.472,232.156 r270 top
C160 "4.7uF" CAPC2012X135N 217.625,231.801 r270 top
C161 "100nF" CAPC0603X33N 245.05,209.4 r0 bottom
C162 "100nF" CAPC0603X33N 192.475,213.875 r0 top
C163 "100nF" CAPC0603X33N 201.8,211.275 r180 bottom
C164 "100nF" CAPC0603X33N 196.189,218.529 r180 bottom
C165 "100nF" CAPC0603X33N 201.075,216.825 r0 bottom
C166 "100nF" CAPC0603X33N 200.975,218.7 r180 bottom
C167 "100nF" CAPC0603X33N 192.55,208.25 r0 top
C168 "100nF" CAPC0603X33N 192.075,213.125 r0 top
C169 "100nF" CAPC0603X33N 193.25,216.65 r0 bottom
C170 "100nF" CAPC0603X33N 201.975,212.75 r180 bottom
C171 "100nF" CAPC0603X33N 202.4,208.475 r270 bottom
C172 "1uF" CAPC1005X55N 184.975,209.6 r0 bottom
C173 "22uF" CAPC1709X100N 191.875,205.5 r90 bottom
C174 "22uF" CAPC1709X100N 197.8,203.45 r90 top
C175 "10nF" CAPC1005X55N 189.425,210.6 r270 top
C176 "22uF" CAPC1709X100N 190.95,206.35 r90 top
C177 "100nF" CAPC0603X33N 185,207.3 r0 bottom
C178A "1uF" CAPC1005X55N 146.558,201.168 r180 bottom (schematic designator C178)
C178B "1uF" CAPC1005X55N 147.066,183.134 r180 bottom (schematic designator C178)
C178C "1uF" CAPC1005X55N 147.32,168.91 r180 bottom (schematic designator C178)
C179A "10uF" CAPC2012X95N 139.65,198.95 r90 bottom (schematic designator C179)
C179B "10uF" CAPC2012X95N 138.725,181.45 r90 bottom (schematic designator C179)
C179C "10uF" CAPC2012X95N 138.75,167.325 r90 bottom (schematic designator C179)
C180A "1uF" CAPC1005X55N 141.575,199.3 r90 bottom (schematic designator C180)
C180B "1uF" CAPC1005X55N 142.748,181.356 r90 bottom (schematic designator C180)
C180C "1uF" CAPC1005X55N 142.494,167.132 r90 bottom (schematic designator C180)
C181A "100nF" CAPC0603X33N 146.558,202.184 r180 bottom (schematic designator C181)
C181B "100nF" CAPC0603X33N 147.066,184.15 r180 bottom (schematic designator C181)
C181C "100nF" CAPC0603X33N 147.32,169.926 r180 bottom (schematic designator C181)
C182A "100nF" CAPC0603X33N 141.143,201.319 r270 bottom (schematic designator C182)
C182B "100nF" CAPC0603X33N 141.732,181.61 r90 bottom (schematic designator C182)
C182C "100nF" CAPC0603X33N 141.732,167.386 r90 bottom (schematic designator C182)
C183A "100nF" CAPC0603X33N 141.905,201.319 r270 bottom (schematic designator C183)